# Altium PCB eBox.PcbDoc (part 1 of 4) (continued)
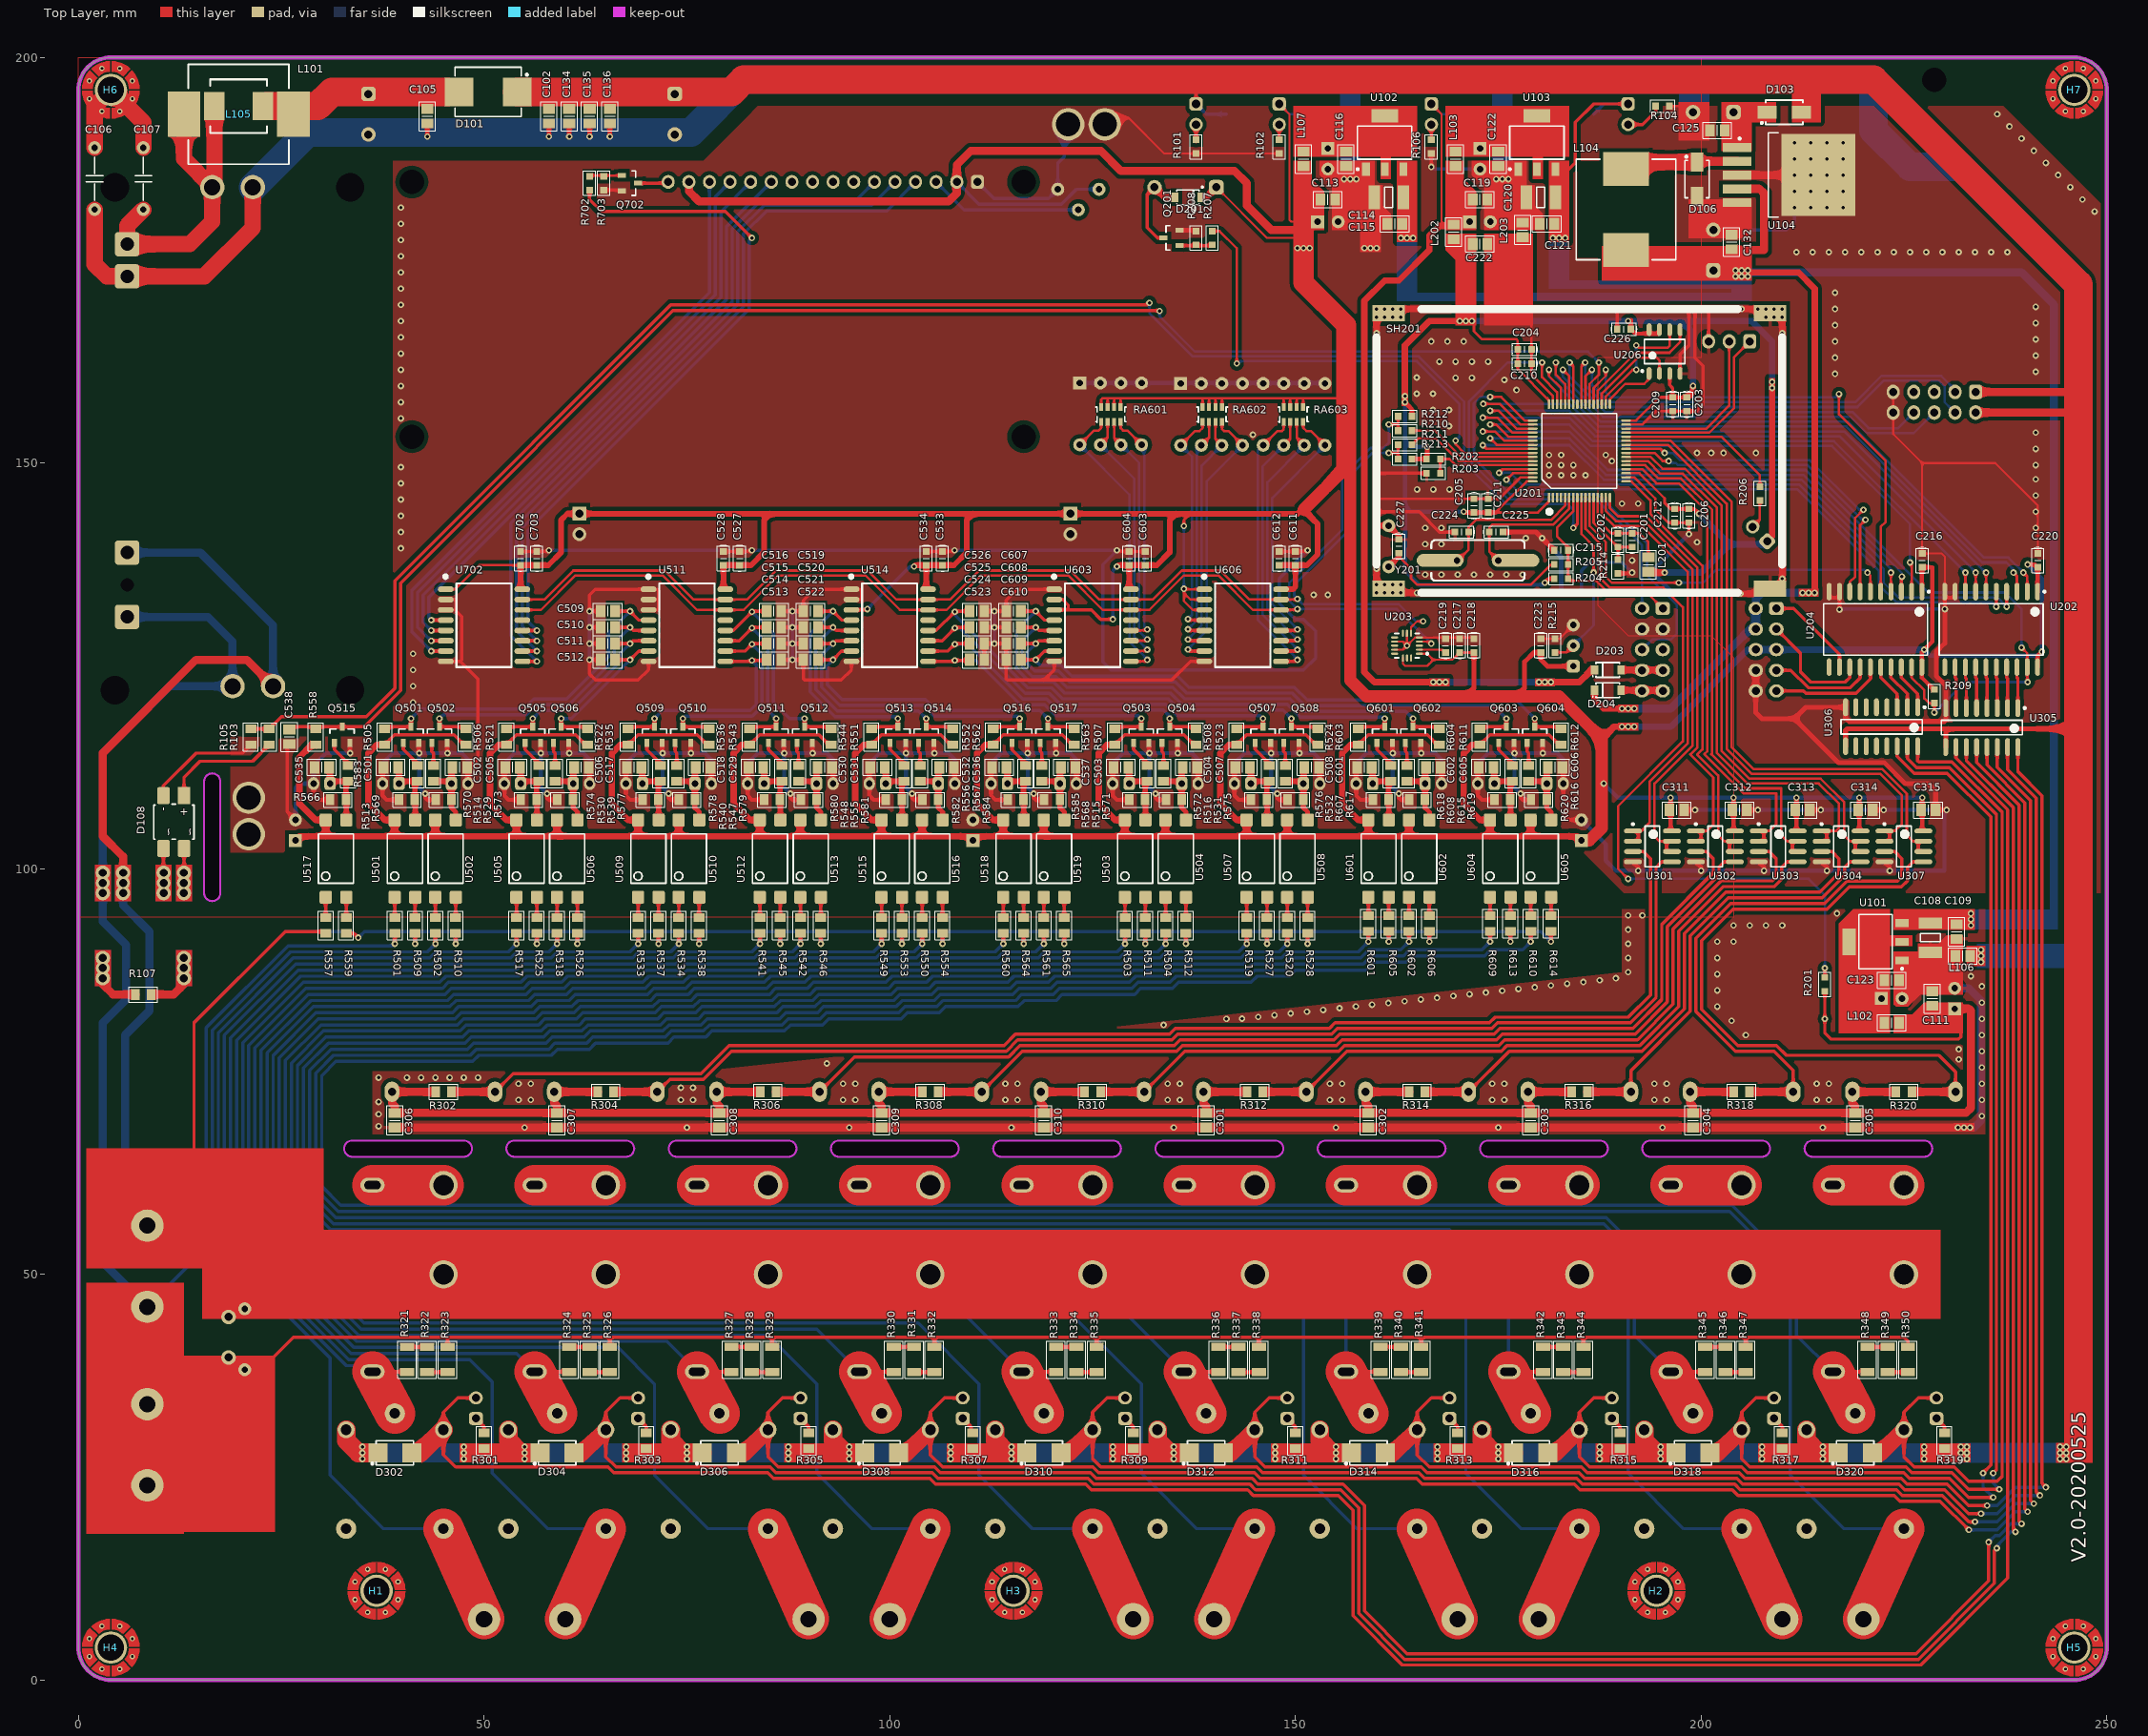
[diagram p0: Top Layer view]
## Components (designator, comment, footprint, x,y, rotation, side; value= is the part's Value field where it differs from the comment) (continued)
Q504 "MMBT3904LT1G" SOT-23 134.5,116.5 r90 top
Q505 "MMBT3904LT1G" SOT-23 56,116.5 r90 top
Q506 "MMBT3904LT1G" SOT-23 59.5,116.5 r90 top
Q507 "MMBT3904LT1G" SOT-23 146,116.5 r90 top
Q508 "MMBT3904LT1G" SOT-23 149.5,116.5 r90 top
Q509 "MMBT3904LT1G" SOT-23 71,116.5 r90 top
Q510 "MMBT3904LT1G" SOT-23 74.5,116.5 r90 top
Q511 "MMBT3904LT1G" SOT-23 86,116.5 r90 top
Q512 "MMBT3904LT1G" SOT-23 89.5,116.5 r90 top
Q513 "MMBT3904LT1G" SOT-23 101,116.5 r90 top
Q514 "MMBT3904LT1G" SOT-23 104.5,116.5 r90 top
Q515 "MMBT3904LT1G" SOT-23 32.5,116.5 r90 top
Q516 "MMBT3904LT1G" SOT-23 116,116.5 r90 top
Q517 "MMBT3904LT1G" SOT-23 119.5,116.5 r90 top
Q601 "MMBT3904LT1G" SOT-23 161,116.5 r90 top
Q602 "MMBT3904LT1G" SOT-23 164.5,116.5 r90 top
Q603 "MMBT3904LT1G" SOT-23 176,116.5 r90 top
Q604 "MMBT3904LT1G" SOT-23 179.5,116.5 r90 top
Q702 "LMBT3904LT1G" SOT-23 68,184.5 r0 top
R101 "4.7K" "R 0603" 137.75,189 r90 top
R102 "330" "R 0603" 148,189 r90 top
R103 "10K" "R 0805" 23.5,116.25 r270 top
R104 "1K" "R 0603" 195.25,194 r180 top
R105 "10K" "R 0805" 21.25,116.25 r90 top
R106 "330" "R 0603" 166.75,189 r90 top
R107 "NA" "R 0805" 8,84.5 r180 top
R201 "NA" "R 0603" 215.25,85.75 r90 top
R202 "NA" "R 0603" 167,150.5 r180 top
R203 "10K" "R 0603" 167,148.75 r180 top
R204 "NA/10K" "R 0603" 182.75,135.75 r180 top
R205 "100" "R 0603" 182.75,137.5 r180 top
R206 "330" "R 0603" 207.25,146.25 r270 top
R207 "10K" "R 0603" 139.75,177.75 r90 top
R208 "10K" "R 0603" 137.75,177.75 r270 top
R209 "10K" "R 0603" 228.75,121.25 r270 top
R210 "100R" "R 0603" 163.5,154 r180 top
R211 "100R" "R 0603" 163.5,152.25 r180 top
R212 "4.7K" "R 0603" 163.5,155.75 r0 top
R213 "4.7K" "R 0603" 163.5,150.5 r0 top
R214 "0R" "R 0603" 189.75,137.25 r90 top
R215 "NA" "R 0603" 182,127.5 r270 top
R301 "4.7K" "R 0805" 50,29.5 r90 top
R302 "330" "R 0805" 45,72.5 r180 top
R303 "4.7K" "R 0805" 70,29.5 r90 top
R304 "330" "R 0805" 65,72.5 r180 top
R305 "4.7K" "R 0805" 90,29.5 r90 top
R306 "330" "R 0805" 85,72.5 r180 top
R307 "4.7K" "R 0805" 110.25,29.5 r90 top
R308 "330" "R 0805" 105,72.5 r180 top
R309 "4.7K" "R 0805" 130,29.5 r90 top
R310 "330" "R 0805" 125,72.5 r180 top
R311 "4.7K" "R 0805" 150,29.5 r90 top
R312 "330" "R 0805" 145,72.5 r180 top
R313 "4.7K" "R 0805" 170,29.5 r90 top
R314 "330" "R 0805" 165,72.5 r180 top
R315 "4.7K" "R 0805" 190,29.5 r90 top
R316 "330" "R 0805" 185,72.5 r180 top
R317 "4.7K" "R 0805" 210,29.5 r90 top
R318 "330" "R 0805" 205,72.5 r180 top
R319 "4.7K" "R 0805" 230,29.5 r90 top
R320 "330" "R 0805" 225,72.5 r180 top
R321 "10K" "R 1206" 40.5,39.5 r90 top
R322 "10K" "R 1206" 43,39.5 r270 top
R323 "10K" "R 1206" 45.5,39.5 r90 top
R324 "10K" "R 1206" 60.5,39.5 r90 top
R325 "10K" "R 1206" 63,39.5 r270 top
R326 "10K" "R 1206" 65.5,39.5 r90 top
R327 "10K" "R 1206" 80.5,39.5 r90 top
R328 "10K" "R 1206" 83,39.5 r270 top
R329 "10K" "R 1206" 85.5,39.5 r90 top
R330 "10K" "R 1206" 100.5,39.5 r90 top
R331 "10K" "R 1206" 103,39.5 r270 top
R332 "10K" "R 1206" 105.5,39.5 r90 top
R333 "10K" "R 1206" 120.5,39.5 r90 top
R334 "10K" "R 1206" 123,39.5 r270 top
R335 "10K" "R 1206" 125.5,39.5 r90 top
R336 "10K" "R 1206" 140.5,39.5 r90 top
R337 "10K" "R 1206" 143,39.5 r270 top
R338 "10K" "R 1206" 145.5,39.5 r90 top
R339 "10K" "R 1206" 160.5,39.5 r90 top
R340 "10K" "R 1206" 163,39.5 r270 top
R341 "10K" "R 1206" 165.5,39.5 r90 top
R342 "10K" "R 1206" 180.5,39.5 r90 top
R343 "10K" "R 1206" 183,39.5 r270 top
R344 "10K" "R 1206" 185.5,39.5 r90 top
R345 "10K" "R 1206" 200.5,39.5 r90 top
R346 "10K" "R 1206" 203,39.5 r270 top
R347 "10K" "R 1206" 205.5,39.5 r90 top
R348 "10K" "R 1206" 220.5,39.5 r90 top
R349 "10K" "R 1206" 223,39.5 r270 top
R350 "10K" "R 1206" 225.5,39.5 r90 top
R501 "220K" "R 0805" 39,93 r90 top
R502 "220K" "R 0805" 44,93 r90 top
R503 "220K" "R 0805" 129,93 r90 top
R504 "220K" "R 0805" 134,93 r90 top
R505 "10K" "R 0805" 37.75,116.25 r270 top
R506 "10K" "R 0805" 47.75,116.25 r270 top
R507 "10K" "R 0805" 127.75,116.25 r270 top
R508 "10K" "R 0805" 137.75,116.25 r270 top
R509 "220K" "R 0805" 41.5,93 r90 top
R510 "220K" "R 0805" 46.5,93 r90 top
R511 "220K" "R 0805" 131.5,93 r90 top
R512 "220K" "R 0805" 136.5,93 r90 top
R513 "10K" "R 0805" 40.5,108.5 r0 top
R514 "10K" "R 0805" 45,108.5 r0 top
R515 "10K" "R 0805" 130.5,108.5 r0 top
R516 "10K" "R 0805" 135,108.5 r0 top
R517 "220K" "R 0805" 54,93 r90 top
R518 "220K" "R 0805" 59,93 r90 top
R519 "220K" "R 0805" 144,93 r90 top
R520 "220K" "R 0805" 149,93 r90 top
R521 "10K" "R 0805" 52.75,116.25 r270 top
R522 "10K" "R 0805" 62.75,116.25 r270 top
R523 "10K" "R 0805" 142.75,116.25 r270 top
R524 "10K" "R 0805" 152.75,116.25 r270 top
R525 "220K" "R 0805" 56.5,93 r90 top
R526 "220K" "R 0805" 61.5,93 r90 top
R527 "220K" "R 0805" 146.5,93 r90 top
R528 "220K" "R 0805" 151.5,93 r90 top
R529 "10K" "R 0805" 55.5,108.5 r0 top
R530 "10K" "R 0805" 60,108.5 r0 top
R531 "10K" "R 0805" 145.5,108.5 r0 top
R532 "10K" "R 0805" 150,108.5 r0 top
R533 "220K" "R 0805" 69,93 r90 top
R534 "220K" "R 0805" 74,93 r90 top
R535 "10K" "R 0805" 67.75,116.25 r270 top
R536 "10K" "R 0805" 77.75,116.25 r270 top
R537 "220K" "R 0805" 71.5,93 r90 top
R538 "220K" "R 0805" 76.5,93 r90 top
R539 "10K" "R 0805" 70.5,108.5 r0 top
R540 "10K" "R 0805" 75,108.5 r0 top
R541 "220K" "R 0805" 84,93 r90 top
R542 "220K" "R 0805" 89,93 r90 top
R543 "10K" "R 0805" 82.75,116.25 r270 top
R544 "10K" "R 0805" 92.75,116.25 r270 top
R545 "220K" "R 0805" 86.5,93 r90 top
R546 "220K" "R 0805" 91.5,93 r90 top
R547 "10K" "R 0805" 85.5,108.5 r0 top
R548 "10K" "R 0805" 90,108.5 r0 top
R549 "220K" "R 0805" 99,93 r90 top
R550 "220K" "R 0805" 104,93 r90 top
R551 "10K" "R 0805" 97.75,116.25 r270 top
R552 "10K" "R 0805" 107.75,116.25 r270 top
R553 "220K" "R 0805" 101.5,93 r90 top
R554 "220K" "R 0805" 106.5,93 r90 top
R555 "10K" "R 0805" 100.5,108.5 r0 top
R556 "10K" "R 0805" 105,108.5 r0 top
R557 "220K" "R 0805" 30.5,93 r90 top
R558 "10K" "R 0805" 29.25,116.25 r270 top
R559 "220K" "R 0805" 33,93 r90 top
R560 "220K" "R 0805" 114,93 r90 top
R561 "220K" "R 0805" 119,93 r90 top
R562 "10K" "R 0805" 112.75,116.25 r270 top
R563 "10K" "R 0805" 122.75,116.25 r270 top
R564 "220K" "R 0805" 116.5,93 r90 top
R565 "220K" "R 0805" 121.5,93 r90 top
R566 "10K" "R 0805" 32,108.5 r0 top
R567 "10K" "R 0805" 115.5,108.5 r0 top
R568 "10K" "R 0805" 120,108.5 r0 top
R569 "1K" "R 0805" 41.75,111.75 r270 top
R570 "1K" "R 0805" 43.75,111.75 r270 top
R571 "1K" "R 0805" 131.75,111.75 r270 top
R572 "1K" "R 0805" 133.75,111.75 r270 top
R573 "1K" "R 0805" 56.75,111.75 r270 top
R574 "1K" "R 0805" 58.75,111.75 r270 top
R575 "1K" "R 0805" 146.75,111.75 r270 top
R576 "1K" "R 0805" 148.75,111.75 r270 top
R577 "1K" "R 0805" 71.75,111.75 r270 top
R578 "1K" "R 0805" 73.75,111.75 r270 top
R579 "1K" "R 0805" 86.75,111.75 r270 top
R580 "1K" "R 0805" 88.75,111.75 r270 top
R581 "1K" "R 0805" 101.75,111.75 r270 top
R582 "1K" "R 0805" 103.75,111.75 r270 top
R583 "1K" "R 0805" 33.25,111.75 r270 top
R584 "1K" "R 0805" 116.75,111.75 r270 top
R585 "1K" "R 0805" 118.75,111.75 r270 top
R601 "220K" "R 0805" 159,93.25 r90 top
R602 "220K" "R 0805" 164,93.25 r90 top
R603 "10K" "R 0805" 157.75,116.25 r270 top
R604 "10K" "R 0805" 167.75,116.25 r270 top
R605 "220K" "R 0805" 161.5,93.25 r90 top
R606 "220K" "R 0805" 166.5,93.25 r90 top
R607 "10K" "R 0805" 160.5,108.5 r0 top
R608 "10K" "R 0805" 165,108.5 r0 top
R609 "220K" "R 0805" 174,93.25 r90 top
R610 "220K" "R 0805" 179,93.25 r90 top
R611 "10K" "R 0805" 172.75,116.25 r270 top
R612 "10K" "R 0805" 182.75,116.25 r270 top
R613 "220K" "R 0805" 176.5,93.25 r90 top
R614 "220K" "R 0805" 181.5,93.25 r90 top
R615 "10K" "R 0805" 175.5,108.5 r0 top
R616 "10K" "R 0805" 180,108.5 r0 top
R617 "1K" "R 0805" 161.75,111.75 r270 top
R618 "1K" "R 0805" 163.75,111.75 r270 top
R619 "1K" "R 0805" 176.75,111.75 r270 top
R620 "1K" "R 0805" 178.75,111.75 r270 top
R702 "10K" "R 0603" 63,184.5 r270 top
R703 "10K" "R 0603" 64.75,184.5 r90 top
RA601 "10K" "RAx4 1206 (3216)" 127.25,156 r90 top
RA602 "10K" "RAx4 1206 (3216)" 139.75,156 r90 top
RA603 "10K" "RAx4 1206 (3216)" 149.75,156 r90 top
RL301 "SRD-12VDC-SL-C" RL_SPDT_10A 39,25.75 r270 bottom
RL302 "SRD-12VDC-SL-C" RL_SPDT_10A 59,25.75 r270 bottom
RL303 "SRD-12VDC-SL-C" RL_SPDT_10A 79,25.75 r270 bottom
RL304 "SRD-12VDC-SL-C" RL_SPDT_10A 99,25.75 r270 bottom
RL305 "SRD-12VDC-SL-C" RL_SPDT_10A 119,25.75 r270 bottom
RL306 "SRD-12VDC-SL-C" RL_SPDT_10A 139,25.75 r270 bottom
RL307 "SRD-12VDC-SL-C" RL_SPDT_10A 159,25.75 r270 bottom
RL308 "SRD-12VDC-SL-C" RL_SPDT_10A 179,25.75 r270 bottom
RL309 "SRD-12VDC-SL-C" RL_SPDT_10A 199,25.75 r270 bottom
RL310 "SRD-12VDC-SL-C" RL_SPDT_10A 219,25.75 r270 bottom
S301 "TA12-200" TA12 45,72.5 r0 bottom
S302 "TA12-200" TA12 65,72.5 r0 bottom
S303 "TA12-200" TA12 85,72.5 r0 bottom
S304 "TA12-200" TA12 105,72.5 r0 bottom
S305 "TA12-200" TA12 125,72.5 r0 bottom
S306 "TA12-200" TA12 145,72.5 r0 bottom
S307 "TA12-200" TA12 165,72.5 r0 bottom
S308 "TA12-200" TA12 185,72.5 r0 bottom
S309 "TA12-200" TA12 205,72.5 r0 bottom
S310 "TA12-200" TA12 225,72.5 r0 bottom
SH201 "Shield cover" "SHIELD COVER 50X35" 185,151.5 r0 top locked
SW201 "Button" SW/2/DIP 161.5,139.75 r90 bottom
SW601 "SW DIP-4" SW/DIP4 123.42,159.87 r0 bottom
SW602 "SW DIP-8" SW/DIP8/300 144.75,156 r0 bottom
T101 "Transformer" "Trans. EE10/6P/F" 8,93 r0 bottom
U101 "LM1117MPX-1.8/NOPB" SOT-223 221.5,91 r180 top
U102 "LM1117MPX-1.8/NOPB" SOT-223 161,189.5 r90 top
U103 "LM1117MPX-1.8/NOPB" SOT-223 179.75,189.5 r90 top
U104 "LM2576SX-5.0" TO-263-6 204.45,185.5 r0 top
U201 "STM32F103RCT6" STM-LQFP64 185,151.5 r90 top
U202 "74HC245D" SOIC-20 235.75,129.5 r270 top
U203 "MMA845xQ" MMA845xQ 163.75,127.5 r180 top
U204 "74HC245D" SOIC-20 221.5,129.5 r270 top
U205 "LM35DZ" TO-92/W100 184.25,127.5 r90 bottom
U206 "25LC256T-I/SN" SOIC-8-I/SN 195.5,163.75 r90 top
U301 "LM358" SOIC-8 194,102.75 r0 top
U302 "LM358" SOIC-8 201.75,102.75 r0 top
U303 "LM358" SOIC-8 209.5,102.75 r0 top
U304 "LM358" SOIC-8 217.25,102.75 r0 top
U305 "ULN2003AD" SOIC-16 234.595,117.4 r270 top
U306 "ULN2003AD" SOIC-16 222.25,117.5 r270 top
U307 "LM358" SOIC-8 225,102.75 r0 top
U501 "SFH6286" "SOP4 - SFH6286" 40.25,101.25 r90 top
U502 "SFH6286" "SOP4 - SFH6286" 45.25,101.25 r90 top
U503 "SFH6286" "SOP4 - SFH6286" 130.25,101.25 r90 top
U504 "SFH6286" "SOP4 - SFH6286" 135.25,101.25 r90 top
U505 "SFH6286" "SOP4 - SFH6286" 55.25,101.25 r90 top
U506 "SFH6286" "SOP4 - SFH6286" 60.25,101.25 r90 top
U507 "SFH6286" "SOP4 - SFH6286" 145.25,101.25 r90 top
U508 "SFH6286" "SOP4 - SFH6286" 150.25,101.25 r90 top
U509 "SFH6286" "SOP4 - SFH6286" 70.25,101.25 r90 top
U510 "SFH6286" "SOP4 - SFH6286" 75.25,101.25 r90 top
U511 "PCF8574AT" SO16/PCF8574AT 75,130 r0 top
U512 "SFH6286" "SOP4 - SFH6286" 85.25,101.25 r90 top
U513 "SFH6286" "SOP4 - SFH6286" 90.25,101.25 r90 top
U514 "PCF8574AT" SO16/PCF8574AT 100,130 r0 top
U515 "SFH6286" "SOP4 - SFH6286" 100.25,101.25 r90 top
U516 "SFH6286" "SOP4 - SFH6286" 105.25,101.25 r90 top
U517 "SFH6286" "SOP4 - SFH6286" 31.75,101.25 r90 top
U518 "SFH6286" "SOP4 - SFH6286" 115.25,101.25 r90 top
U519 "SFH6286" "SOP4 - SFH6286" 120.25,101.25 r90 top
U601 "SFH6286" "SOP4 - SFH6286" 160.25,101.25 r90 top
U602 "SFH6286" "SOP4 - SFH6286" 165.25,101.25 r90 top
U603 "PCF8574AT" SO16/PCF8574AT 125,130 r0 top
U604 "SFH6286" "SOP4 - SFH6286" 175.25,101.25 r90 top
U605 "SFH6286" "SOP4 - SFH6286" 180.25,101.25 r90 top
U606 "PCF8574AT" SO16/PCF8574AT 143.5,130 r0 top
U702 "PCF8574AT" SO16/PCF8574AT 50,130 r0 top
VCC "Test Point" TestPoint/SMD/1.5mm 170.5,193 r270 bottom
VR101 "Varistor" "VARISTOR DISC 5MM/7MM" 18.5,39.75 r90 bottom
VR702 "10K" "R VAR A 3D" 123.25,183.75 r180 bottom
Y201 "8MHz" "Crystal HC49US SMD" 172.5,138 r0 top
Y202 "NA" "Crystal HC49S DIP" 169.92,138 r0 bottom

## Footprints (in the part's own frame and the unit in brackets; to place one, negate y for a bottom-side part, rotate by r counter-clockwise, add the part's x,y. Pads: shape width x height; smd on the part's side, far side on the other; paste and mask are expansions set on the pad)
"AC-DC 12V2A" [mm]
  round 3 hole 2: 1(-30.5,5) 2(-30.5,0) 3(31,-2.5) 4(31,2.5)
  round 0 hole 3.5 unplated: HOLE(-31,-14.5) HOLE(-31,14.5) HOLE(31,-14.5) HOLE(31,14.5)
  silkscreen extent -34.5,-18 34.5,18, body extent -34.5,-18 34.5,18, height 20
BUZZER [mm] "DC Buzzer 5V/12V"
  rrect50% 1.8x1.8 hole 1: 1(0,0)
  round 1.8 hole 1: 2(7.62,0)
  silkscreen extent -1.91,-5.72 9.53,5.75, body extent -5.64,-6 9.81,6, height 9.65
"C 0603" [mm] "Chip Capacitor, 2-Leads, Body 1.6x0.8mm, IPC Medium Density"
  rect 0.8x0.85 smd: 1(-0.85,0) 2(0.85,0)
  silkscreen extent -1.6,-0.75 1.6,0.75, body extent -0.8,-0.43 0.8,0.43, height 0.81
"C 0805" [mm] "Chip Capacitor, 2-Leads, Body 2.0x1.3mm, IPC Medium Density"
  rect 1.2x1.5 smd: 1(-0.9,0) 2(0.9,0)
  silkscreen extent -1.78,-1 1.78,1, body extent -1,-0.64 1,0.61, height 0.6
"C 1210" [mm]
  rect 1.4x2.9 smd: 1(-1.8,0) 2(1.8,0)
  silkscreen extent -0.5,-1.25 0.5,1.25, body extent -1.6,-1.25 1.6,1.25, height 0.79
"CAP Ceramic/D7.0/F7.5" [mm]
  round 1.6 hole 0.8: 1(-3.75,0) 2(3.75,0)
  silkscreen extent -3.6,-2.51 3.6,2.51, body extent -4,-2.5 4,2.5, height 10.5
"CAP Ceramic/W300" [mm]
  round 1.6 hole 0.8: 1(0,0) 2(7.62,0)
  silkscreen extent 1.14,-1.02 6.48,1.02, body extent -0.19,-1.2 7.81,1.2, height 8.63
CAP/D100/H200/LS50 [mm] "Dia 8mm, Heigh 12.5mm, Lead Space 3.5mm (470uF/16V small)"
  rrect50% 1.8x1.8 hole 1: 1(-2.5,0)
  round 1.8 hole 1: 2(2.5,0)
  silkscreen extent -5,-5 5,5, body extent -5,-5 5,5, height 20
"Crystal HC49S DIP" [mm]
  round 1.6 hole 0.8: 1(0,0) 2(5.08,0)
  silkscreen extent -3.05,-2.29 8.13,2.29, body extent -3.05,-2.36 8.13,2.31, height 3.63
"Crystal HC49US SMD" [mm]
  oval 5.6x1.6 smd: 1(-4.75,0) 2(4.75,0)
  silkscreen extent -5.75,-2.5 5.75,2.5, body extent -6.35,-2.36 6.35,2.34, height 4.2
CYL/D.200/LS.75 [mm]
  rrect50% 1.4x1.6 hole 0.8: 1(-1.016,0)
  oval 1.4x1.6 hole 0.8: 2(1.016,0)
  silkscreen extent -2.54,-2.54 2.54,2.54, body extent -2.5,-2.5 2.5,2.5, height 11
CYL/D.250/LS.100#1 [mm]
  rect 1.6x1.6 hole 0.8: 1(-1.27,0)
  round 1.6 hole 0.8: 2(1.27,0)
  silkscreen extent -3.37,-3.37 3.37,3.37, body extent -3.4,-3.4 3.4,3.4, height 12.5
CYL/D.250/LS.100#2 [mm]
  rect 1.7x1.7 hole 1: 1(-1.27,0)
  round 1.7 hole 1: 2(1.27,0)
  silkscreen extent -3.37,-3.37 3.37,3.37, body extent -3.4,-3.4 3.4,3.4, height 12.5
"Diode SOD-123" [mm]
  rect 0.91x1.143 smd: 1(-1.64,0) 2(1.64,0)
  silkscreen extent -1.4,-0.89 1.88,1.37, body extent -1.65,-0.8 1.65,0.8, height 1.2
DiodeBridge-SOIC4 [mm]
  rect 2.1x1.55 smd: 1(-3.25,1.27)
  rrect30% 2.1x1.55 smd: 2(-3.25,-1.27) 3(3.25,-1.27) 4(3.25,1.27)
  silkscreen extent -2.2,-2.47 2.1,2.5, body extent -3.52,-2.47 3.52,2.48, height 2.91
"DO-214AB (SMC)" [mm] "Molded Diode, 2-Leads, Body 7.9x5.8mm, IPC Low Density"
  rect 3.5x3.5 smd: 1(-3.6,0) 2(3.6,0)
  silkscreen extent -4.1,-3.05 4.9,3.05, body extent -3.98,-2.98 3.98,2.92, height 2.27
"DO-214AC (SMA) L"#1 [mm] "Molded Diode, 2-Leads, Body 4.3x2.7mm, IPC Medium Density"
  rect 2.35x1.55 smd: 1(-2.1,0) 2(2.1,0)
  silkscreen extent -2.3,-1.5 2.89,1.5, body extent -2.6,-1.3 2.6,1.3, height 2.4
"DO-214AC (SMA) L"#2 [mm] "Molded Diode, 2-Leads, Body 4.3x2.7mm, IPC Medium Density"
  rect 2.35x2.3 smd: 1(-2.1,0) 2(2.1,0)
  silkscreen extent -2.3,-1.5 2.89,1.5, body extent -2.6,-1.3 2.6,1.3, height 2.4
EBOX_3G [mm]
  rrect50% 1.8x1.6 hole 1: 1(-1.27,-5.08)
  oval 1.8x1.6 hole 1: 2(1.27,-5.08) 3(-1.27,-2.54) 4(1.27,-2.54) 5(-1.27,0) 6(1.27,0) 7(-1.27,2.54) 8(1.27,2.54) 9(-1.27,5.08) 10(1.27,5.08)
  round 0 hole 3 unplated: HOLE(-39.75,0)
  silkscreen extent -42.25,-21 2.75,21, body extent -44.25,-21 2.75,21, height 20.4
"FUSE 2 DIP 0520 BOX" [mm] "5mm x 20mm"
  oval 1.8x3 hole 1 slot 2 at 90 deg: 1(-11.5,0) 2(11.5,0)
  silkscreen extent -13,-5 13,5, body extent -12.15,-4.8 12.15,4.8, height 10.75
HDR/Header/2/VH [mm]
  rrect25% 3x3 hole 1.65: 1(-1.98,0) 2(1.98,0)
  silkscreen extent -3.96,-3.7 3.96,4.8, body extent -3.93,-3.7 3.93,4.8, height 10.6
HDR/Header/3 [mm]
  rrect50% 1.6x1.8 hole 1: 1(-2.54,0)
  oval 1.6x1.8 hole 1: 2(0,0) 3(2.54,0)
  silkscreen extent -3.94,-1.4 3.81,1.27, body extent -3.81,-1.27 3.81,1.27, height 8.89
HDR/Header/3/VH [mm]
  rrect25% 3x3 hole 1.65: 1(-3.96,0) 3(3.96,0)
  rrect25% 0x0 hole 1.65 unplated: 2(0,0)
  silkscreen extent -5.94,-3.7 5.94,4.8, body extent -5.91,-3.75 5.91,4.75, height 10.9
HDR/Header/10/DL/BOX [mm] "10 pins Male Box Header, IDC Socket"
  rrect50% 1.6x1.8 hole 1: 1(5.08,1.27)
  oval 1.6x1.8 hole 1: 2(5.08,-1.27) 3(2.54,1.27) 4(2.54,-1.27) 5(0,1.27) 6(0,-1.27) 7(-2.54,1.27) 8(-2.54,-1.27) 9(-5.08,1.27) 10(-5.08,-1.27)
  silkscreen extent -10.16,-4.45 10.16,4.58, body extent -10.16,-4.81 10.16,4.66, height 9.27
HDR/TERMINAL/2/10MM [mm]
  round 4 hole 2: 1(-5,0) 2(5,0)
  silkscreen extent -11,-7.5 11,7.5, body extent -11,-7.75 11,7.75, height 18.14
"Inductor SMD 6.5x6.5x3.0" [mm] "Precision Wire Wound Inductor, 2-Leads, Body 10.0x8.0mm, IPC Low Density"
  rect 2.5x3.5 smd: 1(-3,0) 2(3,0)
  silkscreen extent -3.5,-3.3 3.5,3.3, body extent -3.43,-3.23 3.43,3.24, height 3
"Inductor SMD 12x12x8"#1 [mm] "Precision Wire Wound Inductor, 2-Leads, Body 12.3x12.3mm, IPC Low Density"
  rect 4.2x5.6 smd: 1(-5,0) 2(5,0)
  silkscreen extent -6.2,-6.15 6.2,6.15, body extent -6.25,-6.25 6.25,6.25, height 8.01
"Inductor SMD 12x12x8"#2 [mm] "Precision Wire Wound Inductor, 2-Leads, Body 12.3x12.3mm, IPC Low Density"
  rect 4x5.6 smd: 1(-6.75,0) 2(6.75,0)
  silkscreen extent -6.2,-6.15 6.2,6.15
JUMP/2/CUSTOM [mm]
  round 3.5 hole 2.5: 1(-7,0) 2(4,0)
  silkscreen extent -4,-1.53 1,-0.5
"L 0805 (2012)" [mm] "Chip Capacitor, 2-Leads, Body 2.0x1.3mm, IPC Medium Density"
  rect 1.2x1.5 smd: 1(-0.9,0) 2(0.9,0)
  silkscreen extent -1.78,-1 1.78,1, body extent -1,-0.6 1,0.6, height 0.95
"LCD 1602A" [mm]
  rrect50% 1.6x1.7 hole 1: 1(-32,15.85)
  oval 1.6x1.7 hole 1: 2(-29.46,15.85) 3(-26.92,15.85) 4(-24.38,15.85) 5(-21.84,15.85) 6(-19.3,15.85) 7(-16.76,15.85) 8(-14.22,15.85) 9(-11.68,15.85) 10(-9.14,15.85) 11(-6.6,15.85) 12(-4.06,15.85) 13(-1.52,15.85) 14(1.02,15.85) 15(3.56,15.85) 16(6.1,15.85)
  round 0 hole 3: HOLE(-37.7,15.85) HOLF(37.7,15.85) HOLG(37.7,-15.55) HOLH(-37.7,-15.55)
  silkscreen extent -40,-17.65 40,18.35, body extent -40,-17.65 40,18.35, height 11
"LED 3MM - blue" [mm]
  rrect50% 1.65x1.65 hole 1: 1(-1.27,0)
  round 1.65 hole 1: 2(1.27,0)
  silkscreen extent -1.52,-1.86 1.4,1.84, body extent -1.66,-1.65 1.55,1.64, height 4.98
"LED 3MM - green" [mm]
  rrect50% 1.6x1.7 hole 1: 1(-1.27,0)
  oval 1.6x1.7 hole 1: 2(1.27,0)
  silkscreen extent -1.52,-1.86 1.4,1.84, body extent -1.66,-1.65 1.64,1.65, height 5.26
"LED 3MM - red" [mm]
  rrect50% 1.65x1.65 hole 1: 1(-1.27,0)
  round 1.65 hole 1: 2(1.27,0)
  silkscreen extent -1.52,-1.86 1.4,1.84, body extent -1.66,-1.65 1.64,1.65, height 5.26
MMA845xQ [mm] "QFN, 16-Leads, Body 3.0x3.0mm (max), Pitch 0.50mm, IPC Low Density"
  oval 0.85x0.25 smd: 1(-1.525,1) 2(-1.525,0.5) 3(-1.525,0) 4(-1.525,-0.5) 5(-1.525,-1) 9(1.525,-1) 10(1.525,-0.5) 11(1.525,0) 12(1.525,0.5) 13(1.525,1)
  oval 0.25x0.85 smd: 6(-0.5,-1.525) 7(0,-1.525) 8(0.5,-1.525) 14(0.5,1.525) 15(0,1.525) 16(-0.5,1.525)
  silkscreen extent -2.63,-1.52 1.5,1.53, body extent -1.5,-1.5 1.5,1.5, height 1
"R 0603" [mm] "Chip Resistor, 2-Leads, Body 1.6x0.8mm, IPC Medium Density"
  rect 0.8x0.85 smd: 1(-0.85,0) 2(0.85,0)
  silkscreen extent -1.5,-0.75 1.5,0.75, body extent -0.8,-0.4 0.8,0.4, height 0.5
"R 0805" [mm] "Chip Resistor, 2-Leads, Body 2.0x1.3mm, IPC Medium Density"
  rect 1.05x1.35 smd: 1(-0.975,0) 2(0.975,0)
  silkscreen extent -1.75,-0.92 1.75,0.92, body extent -1,-0.61 1,0.59, height 0.5
"R 1206" [mm] "Chip Resistor, 2-Leads, Body 3.1x1.6mm, IPC Medium Density"
  rect 1x1.75 smd: 1(-1.55,0) 2(1.55,0)
  silkscreen extent -2.29,-1.14 2.29,1.14, body extent -1.6,-0.8 1.6,0.8, height 0.6
"R VAR A 3D" [mm]
  round 1.6 hole 0.8: 1(-2.54,0) 2(0,-2.54) 3(2.54,0)
  silkscreen extent -3.43,-3.43 3.43,3.3, body extent -3.45,-3.46 3.45,3.46, height 5.2
"RAx4 1206 (3216)" [mm] "Resistor Array x4 1206 (4D03)"
  rrect10% 0.95x0.5 smd: 1(-0.9,1.2) 2(-0.9,0.4) 3(-0.9,-0.4) 4(-0.9,-1.2) 5(0.9,-1.2) 6(0.9,-0.4) 7(0.9,0.4) 8(0.9,1.2)
  silkscreen extent -0.99,-1.88 0.9,1.88, body extent -0.8,-1.6 0.8,1.6, height 0.5
RL_SPDT_10A [mm] "Relay SPDT, 5 pin, 10A,W 650mil, L 800mil, H 800mil"
  round 2.1 hole 1.3: 1(-5.1,-6) 5(-5.1,6)
  round 2.5 hole 1.3: 2(7.1,-6) 3(7.1,6) 4(-7.1,0)
  silkscreen extent -8.9,-7.75 10.1,7.75, body extent -8.9,-7.75 10.1,7.75, height 15.4
SCREW/3.2/7.0/M [mm]
  round 4 / inner round 7 / far side round 7 hole 3.2: 1(0,0)
  Top Layer region: 0.1,2.25 0.325,2.225 0.575,2.175 0.8,2.1 0.975,2.025 1.125,1.95 1.25,1.875 1.375,1.775 1.5,1.675 2.425,2.6 2.225,2.775 2.025,2.925 1.825,3.05 1.6,3.175 1.375,3.275 1.175,3.35 0.95,3.425 0.725,3.475 0.6,3.5 0.45,3.525 0.1,3.55
  Top Layer region: -0.1,2.25 -0.325,2.225 -0.575,2.175 -0.8,2.1 -0.975,2.025 -1.125,1.95 -1.25,1.875 -1.375,1.775 -1.5,1.675 -2.425,2.6 -2.225,2.775 -2.025,2.925 -1.825,3.05 -1.6,3.175 -1.375,3.275 -1.175,3.35 -0.95,3.425 -0.725,3.475 -0.6,3.5 -0.45,3.525 -0.1,3.55
  Top Layer region: -2.25,-0.1 -2.225,-0.325 -2.175,-0.575 -2.1,-0.8 -2.025,-0.975 -1.95,-1.125 -1.875,-1.25 -1.775,-1.375 -1.675,-1.5 -2.6,-2.425 -2.775,-2.225 -2.925,-2.025 -3.05,-1.825 -3.175,-1.6 -3.275,-1.375 -3.35,-1.175 -3.425,-0.95 -3.475,-0.725 -3.5,-0.6 -3.525,-0.45 -3.55,-0.1
  Top Layer region: -2.25,0.1 -2.225,0.325 -2.175,0.575 -2.1,0.8 -2.025,0.975 -1.95,1.125 -1.875,1.25 -1.775,1.375 -1.675,1.5 -2.6,2.425 -2.775,2.225 -2.925,2.025 -3.05,1.825 -3.175,1.6 -3.275,1.375 -3.35,1.175 -3.425,0.95 -3.475,0.725 -3.5,0.6 -3.525,0.45 -3.55,0.1
  Top Layer region: -0.1,-2.25 -0.325,-2.225 -0.575,-2.175 -0.8,-2.1 -0.975,-2.025 -1.125,-1.95 -1.25,-1.875 -1.375,-1.775 -1.5,-1.675 -2.425,-2.6 -2.225,-2.775 -2.025,-2.925 -1.825,-3.05 -1.6,-3.175 -1.375,-3.275 -1.175,-3.35 -0.95,-3.425 -0.725,-3.475 -0.6,-3.5 -0.45,-3.525 -0.1,-3.55
  Top Layer region: 0.1,-2.25 0.325,-2.225 0.575,-2.175 0.8,-2.1 0.975,-2.025 1.125,-1.95 1.25,-1.875 1.375,-1.775 1.5,-1.675 2.425,-2.6 2.225,-2.775 2.025,-2.925 1.825,-3.05 1.6,-3.175 1.375,-3.275 1.175,-3.35 0.95,-3.425 0.725,-3.475 0.6,-3.5 0.45,-3.525 0.1,-3.55
  Top Layer region: 2.25,0.1 2.225,0.325 2.175,0.575 2.1,0.8 2.025,0.975 1.95,1.125 1.875,1.25 1.775,1.375 1.675,1.5 2.6,2.425 2.775,2.225 2.925,2.025 3.05,1.825 3.175,1.6 3.275,1.375 3.35,1.175 3.425,0.95 3.475,0.725 3.5,0.6 3.525,0.45 3.55,0.1
  Top Layer region: 2.25,-0.1 2.225,-0.325 2.175,-0.575 2.1,-0.8 2.025,-0.975 1.95,-1.125 1.875,-1.25 1.775,-1.375 1.675,-1.5 2.6,-2.425 2.775,-2.225 2.925,-2.025 3.05,-1.825 3.175,-1.6 3.275,-1.375 3.35,-1.175 3.425,-0.95 3.475,-0.725 3.5,-0.6 3.525,-0.45 3.55,-0.1
"SHIELD COVER 50X35" [mm]
  rect 4x2 smd: 1(-23.5,-17) 1(-23.5,17) 1(23.5,-17) 1(23.5,17)
  silkscreen extent -25,-17.5 25,17.5, body extent -25.25,-17.75 25.25,17.75, height 4
SO16/PCF8574AT [mm]
  oval 1.95x0.7 smd: 1(-4.725,4.445) 2(-4.725,3.175) 3(-4.725,1.905) 4(-4.725,0.635) 5(-4.725,-0.635) 6(-4.725,-1.905) 7(-4.725,-3.175) 8(-4.725,-4.445) 9(4.725,-4.445) 10(4.725,-3.175) 11(4.725,-1.905) 12(4.725,-0.635) 13(4.725,0.635) 14(4.725,1.905) 15(4.725,3.175) 16(4.725,4.445)
  silkscreen extent -4.95,-5.15 3.4,6.2, body extent -5.16,-5.15 5.16,5.15, height 2.65
SOD123 [mm] "Molded Diode, 2-Leads, Body 2.7x1.6mm, IPC Medium Density"
  rect 0.91x1.143 smd: 1(-1.64,0) 2(1.64,0)
  silkscreen extent -1.45,-0.9 1.9,0.9, body extent -1.85,-0.78 1.85,0.77, height 1.35
SOIC-8 [mm] "SOIC, 8-Leads, Body 5.0x4.0mm (max), Pitch 1.27mm, IPC Medium Density"
  oval 2.2x0.6 smd: 1(-2.4,1.905) 2(-2.4,0.635) 3(-2.4,-0.635) 4(-2.4,-1.905) 5(2.4,-1.905) 6(2.4,-0.635) 7(2.4,0.635) 8(2.4,1.905)
  silkscreen extent -2.52,-2.5 0.9,2.88, body extent -3,-2.49 3,2.41, height 1.75
SOIC-8-I/SN [mm] "SOIC, 8-Leads, Body 5.0x4.0mm (max), Pitch 1.27mm, IPC Medium Density"
  oval 1.55x0.6 smd: 1(-2.7,1.905) 2(-2.7,0.635) 3(-2.7,-0.635) 4(-2.7,-1.905) 5(2.7,-1.905) 6(2.7,-0.635) 7(2.7,0.635) 8(2.7,1.905)
  silkscreen extent -2.52,-2.5 1.5,2.88, body extent -3,-2.49 3,2.41, height 1.75
SOIC-16 [mm] "SOIC, 16-Leads, Body 10.0x4.0mm (max), Pitch 1.27mm, IPC Medium Density"
  oval 2.2x0.6 smd: 1(-2.4,4.445) 2(-2.4,3.175) 3(-2.4,1.905) 4(-2.4,0.635) 5(-2.4,-0.635) 6(-2.4,-1.905) 7(-2.4,-3.175) 8(-2.4,-4.445) 9(2.4,-4.445) 10(2.4,-3.175) 11(2.4,-1.905) 12(2.4,-0.635) 13(2.4,0.635) 14(2.4,1.905) 15(2.4,3.175) 16(2.4,4.445)
  silkscreen extent -2.52,-5 0.9,5.42, body extent -3,-4.95 3,4.95, height 1.4
SOIC-20 [mm] "SOIC, 20-Leads, Body 12.8x7.5mm (max), Pitch 1.27mm, IPC Medium Density"
  oval 2.15x0.6 smd: 1(-4.65,5.715) 2(-4.65,4.445) 3(-4.65,3.175) 4(-4.65,1.905) 5(-4.65,0.635) 6(-4.65,-0.635) 7(-4.65,-1.905) 8(-4.65,-3.175) 9(-4.65,-4.445) 10(-4.65,-5.715) 11(4.65,-5.715) 12(4.65,-4.445) 13(4.65,-3.175) 14(4.65,-1.905) 15(4.65,-0.635) 16(4.65,0.635) 17(4.65,1.905) 18(4.65,3.175) 19(4.65,4.445) 20(4.65,5.715)
  silkscreen extent -4.77,-6.4 3.18,6.69, body extent -5.08,-6.5 5.26,6.5, height 2.8
"SOP4 - SFH6286" [mm]
  rrect25% 1.6x1.5 smd: 1(-4.763,1.27) 2(-4.763,-1.27) 3(4.763,-1.27) 4(4.763,1.27)
  silkscreen extent -3.05,-2.16 3.05,2.16, body extent -5,-2.29 5,2.29, height 3.83
SOT-23 [mm] "SOT23, 3-Leads, Body 3.0x2.5mm (max), Pitch 0.95mm, IPC Medium Density"
  rect 1x0.6 smd: 1(-1,0.95) 2(-1,-0.95) 3(1,0)
  silkscreen extent 0.2,-1.5 0.7,1.5, body extent -1.28,-1.46 1.27,1.46, height 0.95
SOT-223 [mm] "SOT223, 4-Leads, Body 6.7x7.3mm (max), Pitch 2.30mm, IPC Medium Density"
  rect 1.65x0.95 smd: 1(-3.275,2.3) 2(-3.275,0) 3(-3.275,-2.3)
  rect 1.65x3.3 smd: 4(3.275,0)
  silkscreen extent -3.4,-3.35 2.05,3.45, body extent -3.5,-3.25 3.5,3.25, height 1.64
STM-LQFP64 [mm]
  oval 1.2x0.3 smd: 1(-5.75,3.75) 2(-5.75,3.25) 3(-5.75,2.75) 4(-5.75,2.25) 5(-5.75,1.75) 6(-5.75,1.25) 7(-5.75,0.75) 8(-5.75,0.25) 9(-5.75,-0.25) 10(-5.75,-0.75) 11(-5.75,-1.25) 12(-5.75,-1.75) 13(-5.75,-2.25) 14(-5.75,-2.75) 15(-5.75,-3.25) 16(-5.75,-3.75) 33(5.75,-3.75) 34(5.75,-3.25) 35(5.75,-2.75) 36(5.75,-2.25) 37(5.75,-1.75) 38(5.75,-1.25) 39(5.75,-0.75) 40(5.75,-0.25) 41(5.75,0.25) 42(5.75,0.75) 43(5.75,1.25) 44(5.75,1.75) 45(5.75,2.25) 46(5.75,2.75) 47(5.75,3.25) 48(5.75,3.75)
  oval 0.3x1.2 smd: 17(-3.75,-5.75) 18(-3.25,-5.75) 19(-2.75,-5.75) 20(-2.25,-5.75) 21(-1.75,-5.75) 22(-1.25,-5.75) 23(-0.75,-5.75) 24(-0.25,-5.75) 25(0.25,-5.75) 26(0.75,-5.75) 27(1.25,-5.75) 28(1.75,-5.75) 29(2.25,-5.75) 30(2.75,-5.75) 31(3.25,-5.75) 32(3.75,-5.75) 49(3.75,5.75) 50(3.25,5.75) 51(2.75,5.75) 52(2.25,5.75) 53(1.75,5.75) 54(1.25,5.75) 55(0.75,5.75) 56(0.25,5.75) 57(-0.25,5.75) 58(-0.75,5.75) 59(-1.25,5.75) 60(-1.75,5.75) 61(-2.25,5.75) 62(-2.75,5.75) 63(-3.25,5.75) 64(-3.75,5.75)
  silkscreen extent -7.75,-4.61 4.61,4.61, body extent -6,-6 6,6, height 1.6
SW/2/DIP [mm]
  round 1.6 hole 0.8: 1(-2.54,0) 2(2.54,0)
  silkscreen extent -3.41,-3.4 3.41,3.41, body extent -3.43,-3.42 3.43,3.44, height 3.81
SW/DIP4 [mm]
  rect 1.6x1.6 hole 0.8: 1(0,0)
  round 1.6 hole 0.8: 2(2.54,0) 3(5.08,0) 4(7.62,0) 5(7.62,7.62) 6(5.08,7.62) 7(2.54,7.62) 8(0,7.62)
  silkscreen extent -1.91,-1.27 9.53,8.89, body extent -1.27,0 8.89,7.62, height 4.19
SW/DIP8/300 [mm]
  rect 1.6x1.6 hole 0.8: 1(-8.89,-3.81)
  round 1.6 hole 0.8: 2(-6.35,-3.81) 3(-3.81,-3.81) 4(-1.27,-3.81) 5(1.27,-3.81) 6(3.81,-3.81) 7(6.35,-3.81) 8(8.89,-3.81) 9(8.89,3.81) 10(6.35,3.81) 11(3.81,3.81) 12(1.27,3.81) 13(-1.27,3.81) 14(-3.81,3.81) 15(-6.35,3.81) 16(-8.89,3.81)
  silkscreen extent -10.79,-5.08 10.79,5.08, body extent -10.66,-4.95 10.66,4.95, height 7
TA12 [mm]
  oval 1.8x2.5 hole 1: 1(-6.35,0) 2(6.35,0)
  silkscreen extent -8.6,-4.75 8.6,4.75, body extent -8.6,-4.75 8.6,4.75, height 20.4
TESTPOINT/1/Black [mm]
  round 4 hole 3: 1(0,0)
  silkscreen extent -2.25,-2.25 2.25,2.25, body extent -1.59,-1.59 1.59,1.59, height 8.13
TestPoint/SMD/1.5mm [mm]
  round 1.5 smd: 1(0,0)
  silkscreen extent -1.02,-1.02 1.02,1.02
TO-92/W100 [mm]
  rrect50% 1.6x1.6 hole 0.8: 1(-2.54,0)
  round 1.6 hole 0.8: 2(0,0) 3(2.54,0)
  silkscreen extent -2.41,-1.54 2.41,2.66, body extent -2.89,-1.53 2.85,2.66, height 9.39
TO-263-6 [mm] "D2-PAK, 6-Pads, Body 8.9x10.4mm (max), IPC Medium Density"
  rect 3.5x1.1 smd: 1(0,3.4) 2(0,1.7) 3(0,0) 4(0,-1.7) 5(0,-3.4)
  rect 9.1x10.1 smd: 6(10,0)
  silkscreen extent 0.18,-5.2 5.05,5.2, body extent -0.96,-4.98 14.71,5.02, height 4.83
"Trans. EE10/6P/F" [mm] "Tranformer EE13 6PIN"
  round 1.778 hole 0.991: 1(-5,-6.5) 1(-5,-4) 2(-2.5,-6.5) 2(-2.5,-4) 3(2.5,-6.5) 3(2.5,-4) 4(5,-6.5) 4(5,-4) 5(5,4) 5(5,6.5) 6(-5,4) 6(-5,6.5)
  round 1.7 hole 1: 1(-5,-5.25) 2(-2.5,-5.25) 3(2.5,-5.25) 4(5,-5.25) 5(5,5.25) 6(-5,5.25)
  silkscreen extent -6.35,-6.35 6.35,6.35, body extent -6.35,-6.35 6.35,6.35, height 11.43
"VARISTOR DISC 5MM/7MM" [mm] "VARISTOR 23V 250A DISC 7MM"
  round 1.8 hole 1: 1(0,0) 2(5,0)
  silkscreen extent 1.5,-1 3.5,1, body extent -1.5,-1.26 6.5,1.25, height 11